# Altium PCB iMX53_BB_PCB_V1I2.PcbDoc (part 6 of 9) (continued)
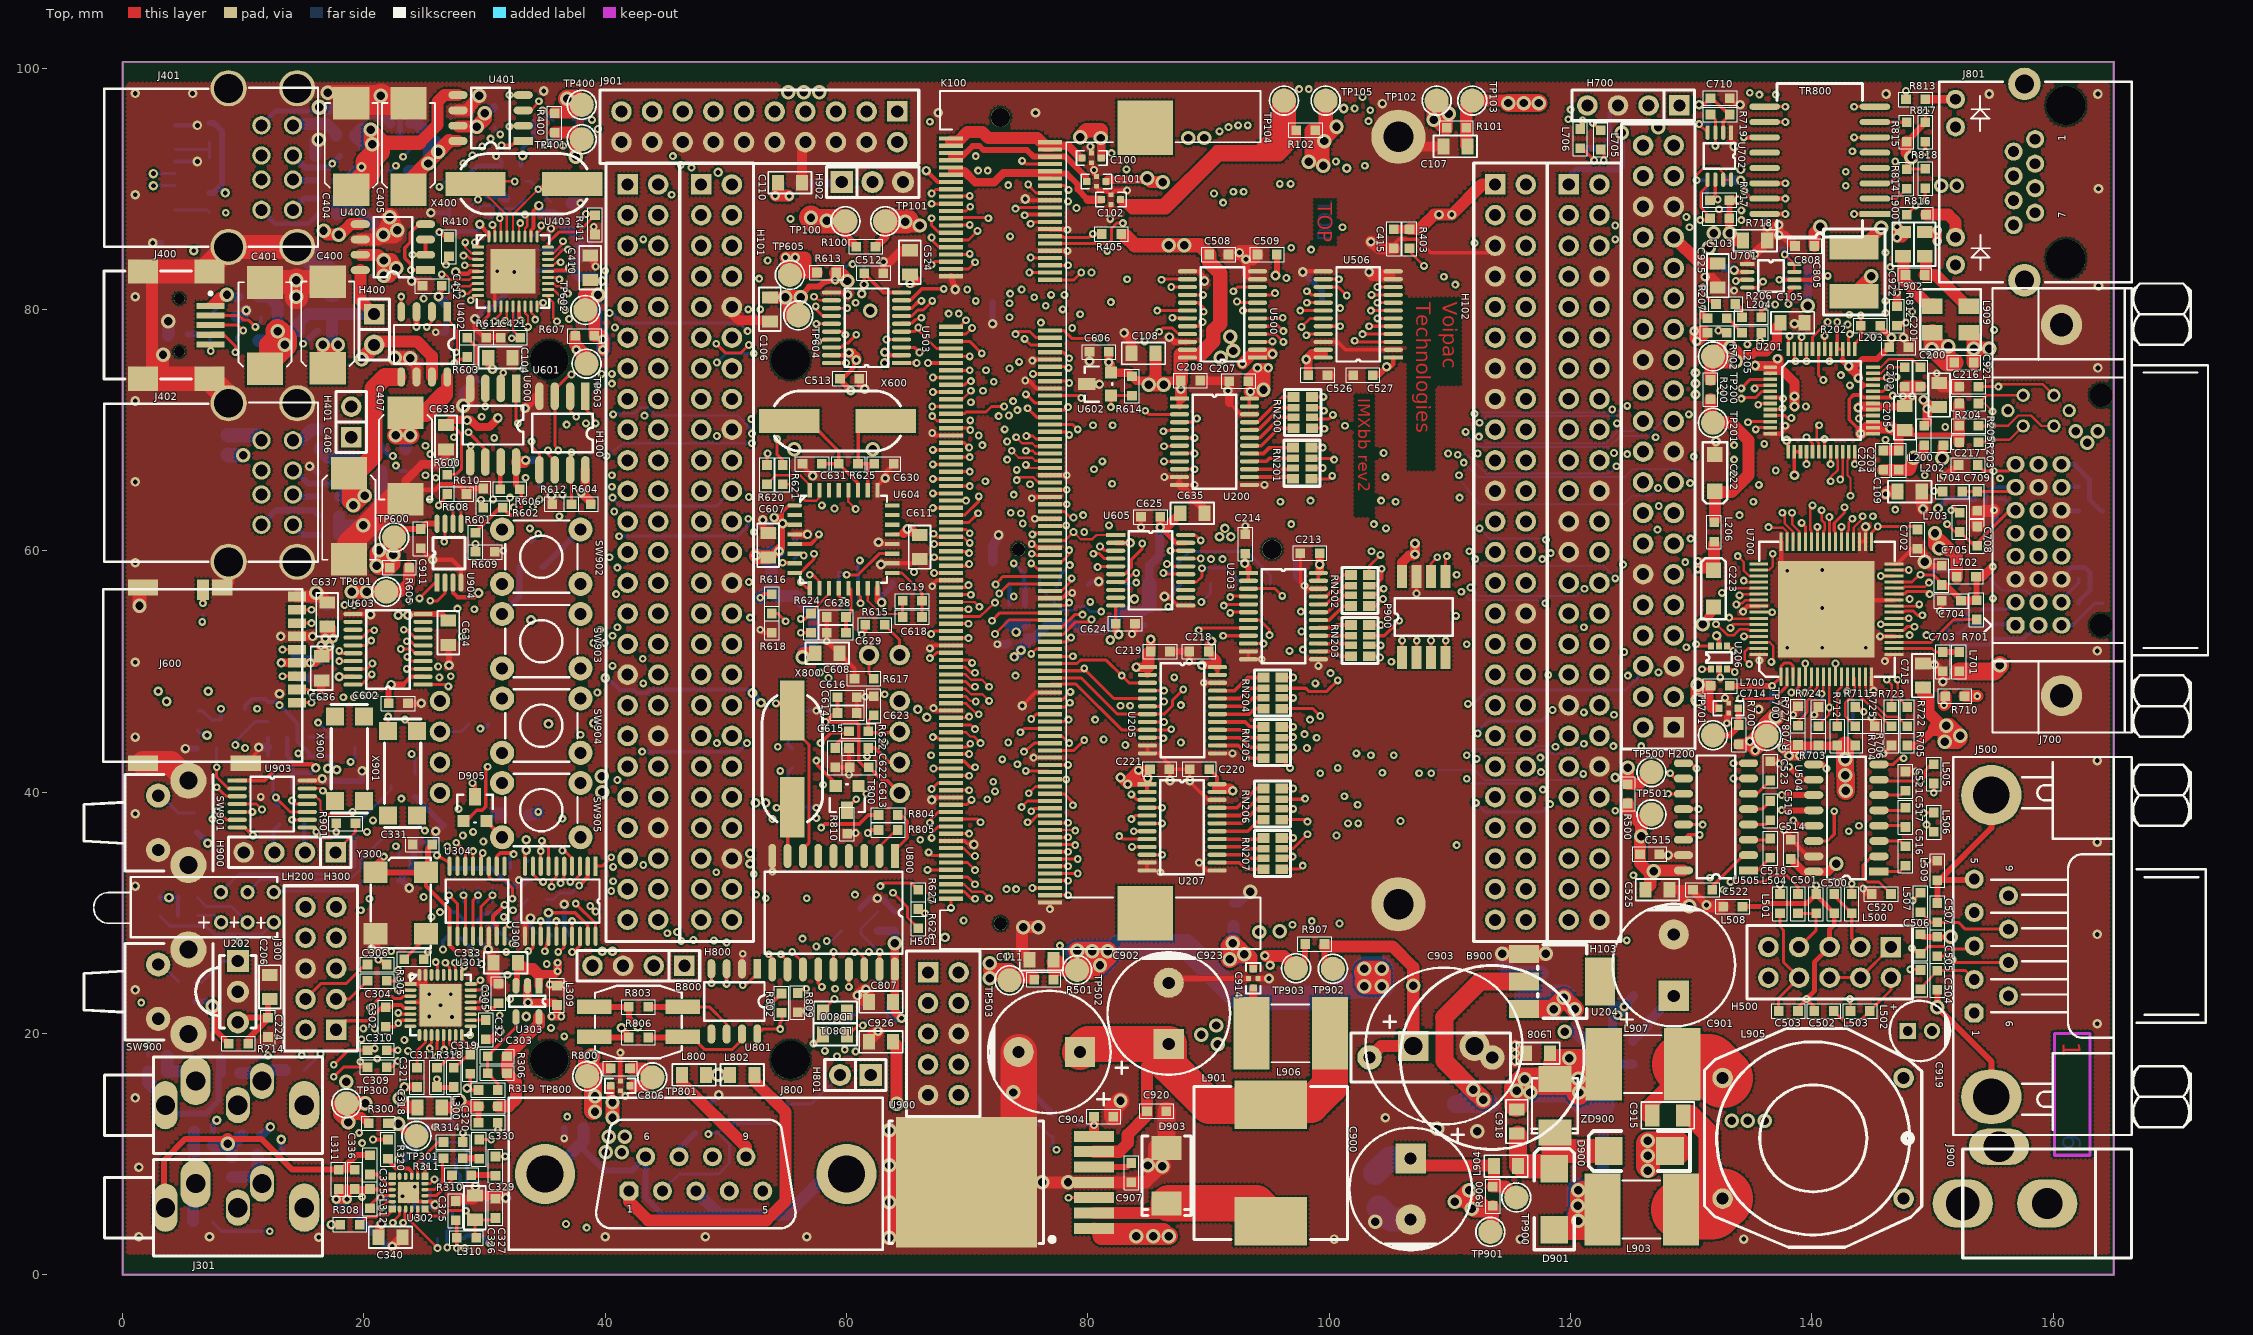
[diagram p0: Top view]
## Nets (pads, with @x,y where several pads share a name; then routed paths per layer and width w, separated by ;. In a path a pad name is that pad's centre, name@x,y a point inside that pad or via, vN(x,y) a via of type N, cw(c..) or ccw(c..) an arc to the next point about the centre after c; other vN are vias at no path point) (continued)
  SignalV w0.15: v1@29.75,64.45 v1(29.7,64.2) 29.8,64.3 29.8,71.05 v1(29.75,71.1)
NetR603_2: R603.2 R611.1 U601.3 | length 19.7
  Top w0.25: v1(36.1,68.3) 35.815,68.74 U601.3@35.815,72.8 35.815,73.365 37,74.55 v1(37.2,74.6)
  Top w0.3: R611.1@28.55,77.65 29.35,76.85 29.35,75.1 29.35,75.05 v1(29.2,75.1) ; R611.1@28.55,77.65 R611.1@28.75,77.65
  SignalH w0.15: v1(29.2,75.1) 29.775,75.675 31.575,75.675 33.5,73.75 36.35,73.75 v1(37.2,74.6)
NetR604_2: R604.2 R612.1 U601.7 | length 4.7
  Top w0.15: U601.7@37.085,66.7 37.085,68.15 37.085,68.285 v1(37.2,68.15) ; R612.1@37.2,63.85 R612.1@37.2,63.9
  Top w0.25: U601.7@37.085,66.7 37.2,66.585 R612.1@37.2,63.9
NetR606_2: R606.2 U600.7 | length 2.1
  Top w0.35: U600.7@31.185,67.2 31.3,67.085 R606.2@31.3,65.1
NetR620_2: R620.2 U604.32 | length 4.6
  Top w0.2: R620.2@53.4,65.5 54.15,66.25 56.15,66.25 56.95,65.45 U604.32@56.95,65
NetR621_2: R621.2 U604.31 | length 4.3
  Top w0.2: R621.2@54.7,65.5 55.2,65.5 56.564,64.136 57.486,64.136 57.75,64.4 U604.31@57.75,65
NetR626_2: R626.2 R627.2 U600.1 | length 80.4
  Top w0.25: U600.1@32.428,73.273 U600.1@32.6,73.1 ; U600.1@32.6,73.445 U600.1@32.6,73.1 ; v1(32.75,70.55) 32.6,70.7 U600.1@32.6,73.1 ; R627.2@65.8,30.3 66.15,30.3 v1(66.5,29.95)
  SignalH w0.15: v1(32.75,70.55) 33.1,70.2 36.55,70.2 v1(36.8,70.45)
  SignalV w0.15: v1(36.45,37.8) 36.25,38.25 36.25,39.501 36,39.751 36,44.3 36.55,44.85 36.55,46.3 36.2,46.65 36.2,61.95 37.15,62.9 37.15,67 37.759,67.609 37.759,68.841 37.293,69.307 36.8,69.8 v1(36.8,70.45) ; v1(66.1,36.05) 66.1,30.35 v1(66.5,29.95)
  Power w0.15: v1(36.45,37.8) 36.75,37.5 40.75,37.5 41.4,38.15 51.4,38.15 53.15,36.4 58.55,36.4 59.4,37.25 64.9,37.25 v1(66.1,36.05)
NetR701_2: R701.2 U700.19 | length 7.6
  Top w0.25: U700.19@146.8,52.4 149.85,52.4 151.75,54.3 R701.2@153.65,54.3
NetR703_2: R703.2 R710.2 R724.1 U700.9 | length 15.3
  Top w0.15: U700.9@141.4,49.5 U700.9@141.45,49.55
  Top w0.2: R703.2@140.55,45.4 140.55,45.55 141.45,46.45 v1(141.45,47) U700.9@141.45,49.55
  Top w1: v1(150.95,47.2) 151.05,47.3 R710.2@151.05,47.95
  SignalH w0.15: v1(141.45,47) 142,47.55 150.6,47.55 v1(150.95,47.2)
NetR704_2: R704.2 R711.2 R725.1 U700.13 | length 5.2
  Top w0.2: U700.13@143.45,49.55 143.55,49.45 143.55,48.1 143.2,47.75 143.1,47.75 142.75,47.4 142.75,46.3 R711.2@143.6,45.45 R711.2@143.6,45.15
NetR705_2: R705.2 R722.2 U700.15 | length 6.1
  Top w0.2: U700.15@144.45,49.55 144.45,48 146.2,46.25 147.1,46.25 R705.2@147.9,45.45
NetR706_2: R706.2 R723.2 U700.14 | length 5.3
  Top w0.2: U700.14@143.95,49.55 143.95,48 146.5,45.45 R706.2@146.6,45.45
NetR707_2: R707.2 R726.1 U700.6 | length 4.7
  Top w0.2: v1(139.437,48.237) 139.95,48.75 U700.6@139.95,49.55
  Bottom w0.2: R707.2@138.45,45.5 139.15,46.2 139.15,47.95 v1(139.437,48.237)
NetR708_2: R708.2 R727.1 U700.7 | length 4.7
  Top w0.2: R708.2@138.85,45.45 R708.2@138.875,45.475 ; R708.2@138.85,45.5 138.85,45.85 139.6,46.6 139.6,47.55 140.05,48 140.05,48.25 140.45,48.65 U700.7@140.45,49.55
NetR709_2: R709.2 R728.1 U700.8 | length 4.6
  Top w0.2: v1(140.8,48.15) 140.95,48.3 U700.8@140.95,49.55
  Bottom w0.2: R709.2@140,45.5 140.2,45.5 140.85,46.15 140.85,48.1 v1(140.8,48.15)
NetR712_2: R712.2 U700.11 | length 4.2
  Top w0.2: R712.2@142.1,45.45 142.1,48.358 142.45,48.708 U700.11@142.45,49.55
NetR802_2: R802.2 R810.1 T800.3 U801.8 | length 31.4
  Top w0.15: U801.8@52.6,19.9 U801.8@52.625,19.925
  Top w0.25: U801.8@52.6,19.9 52.625,19.925 53.05,20.35 v1(54.5,20.35) 54.5,20.9 54.65,21.05 54.65,21.65 R802.2@54.6,21.7
  Top w0.3: T800.3@60.05,38.5 60.05,38.65 v1(60.8,39.4)
  SignalH w0.15: v1(53.85,37.75) 54.05,37.75 55.75,39.45 v1@60.8,39.45
  SignalV w0.15: v1(53.85,37.75) 54.45,37.15 54.45,29.85 52.9,28.3 52.9,25.8 54.5,24.2 v1(54.5,20.35)
NetR804_2: R804.2 U800.1 | length 4.4
  Top w0.25: U800.1@64,34.7 64,35.15 65.05,36.2 65.05,37.6 64.55,38.1 R804.2@64.2,38.1
NetR805_2: R805.2 U800.2 | length 2.1
  Top w0.25: U800.2@62.73,35.48 64.1,36.85 R805.2@64.25,36.85
NetR809_1: R809.1 T800.2 | length 25.8
  Top w0.15: R809.1@55.95,23.35 v1(56.65,23.7)
  Top w0.3: v1(57.5,42.6) 57.6,42.2 59.1,40.7 T800.2@59.1,40.5
  SignalH w0.15: v1(54.5,41.75) 55.05,41.75 55.9,42.6 v1(57.5,42.6)
  SignalV w0.15: v1(54.5,41.75) 55.55,40.7 55.55,27.5 56.2,26.85 56.2,25.35 56.65,24.9 v1(56.65,23.7)
NetR814_1: R814.1 TR800.2 | length 3
  Top w0.2: TR800.2@145.222,89.175 147.025,89.175 R814.1@147.85,90
NetR815_1: R815.1 TR800.7 | length 2.6
  Top w0.3: TR800.7@145.247,95.5 R815.1@147.85,95.5
NetRN200_1: RN200.1 U200.21 | length 4.4
  Top w0.3: U200.21@93.384,70.652 94.052,70.652 96.145,72.745 RN200.1@96.9,72.745
NetRN200_2: RN200.2 U200.20 | length 4.3
  Top w0.3: U200.20@93.45,70.05 94.15,70.05 95.95,71.85 RN200.2@97.038,71.85
NetRN200_3: RN200.3 U200.19 | length 4.4
  Top w0.3: U200.19@93.384,69.352 94.252,69.352 95.95,71.05 RN200.3@97.038,71.05
NetRN200_4: RN200.4 U200.18 | length 4.3
  Top w0.3: U200.18@93.384,68.702 94.352,68.702 95.805,70.155 RN200.4@97.038,70.155
NetRN201_1: RN201.1 U200.17 | length 3.8
  Top w0.3: U200.17@93.384,68.052 94.552,68.052 95.045,68.545 RN201.1@96.988,68.545
NetRN201_2: RN201.2 U200.16 | length 3.7
  Top w0.3: U200.16@93.384,67.402 94.802,67.402 95.05,67.65 RN201.2@96.988,67.65
NetRN201_3: RN201.3 U200.15 | length 3.6
  Top w0.3: U200.15@93.384,66.752 96.89,66.752 RN201.3@96.988,66.85
NetRN201_4: RN201.4 U200.14 | length 3.7
  Top w0.3: U200.14@93.384,66.102 96.841,66.102 RN201.4@96.988,65.955
NetRN202_1: RN202.1 U203.21 | length 3.6
  Top w0.15: U203.21@99.1,56.2 U203.21@99.15,56.2
  Top w0.3: U203.21@99.15,56.2 99.75,56.2 100.35,56.8 100.35,57.15 101.195,57.995 RN202.1@101.788,57.995
NetRN202_2: RN202.2 U203.20 | length 3.3
  Top w0.3: U203.20@99.1,55.55 99.75,55.55 101.3,57.1 RN202.2@101.788,57.1
NetRN202_3: RN202.3 U203.19 | length 3.3
  Top w0.3: U203.19@99.1,54.9 99.85,54.9 101.25,56.3 RN202.3@101.788,56.3
NetRN202_4: RN202.4 U203.18 | length 3.2
  Top w0.3: U203.18@99.1,54.25 100,54.25 101.155,55.405 RN202.4@101.788,55.405
NetRN203_1: RN203.1 U203.17 | length 2.8
  Top w0.3: U203.17@99.1,53.6 99.138,53.638 100.438,53.638 100.645,53.845 RN203.1@101.788,53.845
NetRN203_2: RN203.2 U203.16 | length 2.7
  Top w0.3: U203.16@99.1,52.95 RN203.2@101.788,52.95
NetRN203_3: RN203.3 U203.15 | length 2.8
  Top w0.3: U203.15@99.1,52.3 101.638,52.3 RN203.3@101.788,52.15
NetRN203_4: RN203.4 U203.14 | length 2.9
  Top w0.3: U203.14@99.1,51.65 100.5,51.65 100.895,51.255 RN203.4@101.788,51.255
NetRN204_1: RN204.1 U205.21 | length 4.3
  Top w0.3: U205.21@90.734,48.402 92.152,48.402 93.245,49.495 RN204.1@94.538,49.495
NetRN204_2: RN204.2 U205.20 | length 4.2
  Top w0.3: U205.20@90.734,47.752 92.652,47.752 93.5,48.6 RN204.2@94.538,48.6
NetRN204_3: RN204.3 U205.19 | length 4.1
  Top w0.3: U205.19@90.734,47.102 92.952,47.102 93.65,47.8 RN204.3@94.538,47.8
NetRN204_4: RN204.4 U205.18 | length 4
  Top w0.3: U205.18@90.734,46.452 93.352,46.452 93.805,46.905 RN204.4@94.538,46.905
NetRN205_1: RN205.1 U205.17 | length 4
  Top w0.3: U205.17@90.734,45.802 93.048,45.802 93.455,45.395 RN205.1@94.538,45.395
NetRN205_2: RN205.2 U205.16 | length 4.1
  Top w0.3: U205.16@90.734,45.152 92.798,45.152 93.45,44.5 RN205.2@94.538,44.5
NetRN205_3: RN205.3 U205.15 | length 4.1
  Top w0.3: U205.15@90.734,44.502 92.598,44.502 93.4,43.7 RN205.3@94.538,43.7
NetRN205_4: RN205.4 U205.14 | length 4.2
  Top w0.3: U205.14@90.734,43.852 92.448,43.852 93.495,42.805 RN205.4@94.538,42.805
NetRN206_1: RN206.1 U207.21 | length 4.5
  Top w0.3: U207.21@90.7,38.7 92.35,38.7 93.945,40.295 RN206.1@94.538,40.295
NetRN206_2: RN206.2 U207.20 | length 4.4
  Top w0.3: U207.20@90.7,38.05 92.65,38.05 94,39.4 RN206.2@94.538,39.4
NetRN206_3: RN206.3 U207.19 | length 4.3
  Top w0.3: U207.19@90.7,37.4 92.75,37.4 93.95,38.6 RN206.3@94.538,38.6
NetRN206_4: RN206.4 U207.18 | length 4.2
  Top w0.3: U207.18@90.7,36.75 93.25,36.75 94.205,37.705 RN206.4@94.538,37.705
NetRN207_1: RN207.1 U207.17 | length 3.9
  Top w0.3: U207.17@90.7,36.1 94.443,36.1 RN207.1@94.538,36.195
NetRN207_2: RN207.2 U207.16 | length 4.1
  Top w0.15: RN207.2@94.388,35.45 RN207.2@94.538,35.3
  Top w0.3: U207.16@90.7,35.45 93.25,35.45 93.4,35.3 RN207.2@94.538,35.3
NetRN207_3: RN207.3 U207.15 | length 4
  Top w0.3: U207.15@90.7,34.8 92.95,34.8 93.25,34.5 RN207.3@94.538,34.5
NetRN207_4: RN207.4 U207.14 | length 4.1
  Top w0.3: U207.14@90.7,34.15 92.55,34.15 93.095,33.605 RN207.4@94.538,33.605
NetU904_1: U904.1 X901.2 | length 14.1
  Top w0.25: X901.2@22.01,45.045 v1(22.01,46.247) ; v1(24.6,56.05) 25.912,57.362 U904.1@26.059,57.362
  SignalV w0.25: v1(22.01,46.247) 22.01,47.61 24.25,49.85 24.25,52.061 24.35,52.161 24.35,55.8 v1(24.6,56.05)
NetU904_2: U904.2 X901.1 | length 14.5
  Top w0.25: v1(23.4,46) 24.355,45.045 X901.1@24.41,45.045 ; v1(25.5,55.85) 26.1,55.85 26.72,56.47 U904.2@26.72,57.362
  SignalV w0.25: v1(23.4,46) 23.4,48.4 24.65,49.65 24.65,51.895 24.75,51.995 24.75,55.1 v1(25.5,55.85)
OCS1: U401.2 U403.13 | length 19.1
  Top w0.2: v1(31.7,79.05) 31.85,79.2 U403.13@31.85,80.25 ; v1@32.05,95.22 U401.2@33.2,95.22
  SignalV w0.15: v1(31.7,79.05) 31.9,79.25 31.9,86.626 32.1,86.826 32.1,88.526 31.65,88.976 31.65,91.324 32.1,91.774 32.1,91.876 32.1,95.1 v1(32.05,95.15)
OCS2: U401.3 U403.17 | length 21.5
  Top w0.15: U401.3@33.19,96.5 U401.3@33.2,96.49
  Top w0.2: U401.3@33.15,96.5 33.19,96.5 33.2,96.5 U401.3@33.75,96.5 ; U401.3@33.745,96.55 33.93,96.566 v1(34.5,97.25) ; U403.17@33.85,80.25 33.85,79.75 34.2,79.4 v1@34.2,79.3
  SignalV w0.15: v1(34.2,79.15) 34.15,79.35 34.15,79.7 33.9,79.95 33.9,88.1 33.55,88.45 33.55,90.15 33.9,90.5 33.9,96.65 v1(34.5,97.25)
OCS3: U402.2 U403.19 | length 15.9
  Top w0.2: v1(25.2,78.55) 25.63,78.98 U402.2@25.63,79.8 ; U403.19@35.25,81.15 35.25,81 35.7,80.55 35.7,79.3 v1(36,79)
  Power w0.15: v1(25.2,78.55) 25.4,78.75 27.45,78.75 28.55,79.85 29.4,79.85 29.75,80.2 33.95,80.2 34.45,79.7 35.05,79.7 35.75,79 v1(36,79)
OCS4: U402.3 U403.21 | length 19.6
  Top w0.2: U403.21@35.25,82.15 35.7,82.15 35.938,81.912 36.288,81.912 v1(36.9,81.3)
  Top w0.5: v1(24.36,78.548) U402.3@24.36,79.8
  SignalV w0.2: v1(36.9,81.3) 37.236,80.964 37.236,79.436 v1(37,79.2)
  Power w0.15: v1(24.36,78.548) 24.962,79.15 27.3,79.15 28.35,80.2 29.2,80.2 29.5,80.5 34.074,80.5 34.574,80 35.815,80 36.196,79.619 36.615,79.2 v1(37,79.2)
OSC32KHZ: R307.1 U302.9 U904.7 | length 69.3
  Top w0.2: U302.9@23.95,5.45 23.95,5.2 23.85,5.1 23.85,4.448 v1(26.1,2.198)
  Top w0.25: v1(26.65,60.75) 26.72,60.82 U904.7@26.72,62.238
  SignalV w0.15: v1@26.1,2.2 v1(26.1,2.198) 23.85,4.448 23.85,5.25 24.75,6.15 24.75,8.05 24.45,8.35 24.45,15.1 24.6,15.25 24.6,26 23.65,26.95 23.65,30.8 24.4,31.55 24.4,39.4 24.95,39.95 24.95,46.15 24.1,47 24.1,47.726 25.3,48.926 25.3,51.35 26.559,52.609 26.559,55.735 27,56.176 27,60.4 v1(26.65,60.75)
  Bottom w0.15: v1(26.1,2.198) R307.1@26.1,3.05
OWIRE: H100.12 K100.43 R614.2 U602.1 | length 52.1
  Top w0.25: K100.43@68.65,77.95 69.9,77.95 v1(70.4,78.45) ; v1(81.9,71.898) U602.1@81.9,72.85 R614.2@83.65,72.85
  SignalH w0.15: H100.12@44.39,77.65 45.49,78.75 51.2,78.75 51.55,79.1 56.924,79.1 57.174,79.35 57.85,79.35 58.45,78.75 62.45,78.75 63.55,79.85 66.45,79.85 67.139,79.161 67.85,78.45 v1(70.4,78.45) ; v1(70.3,72.3) 71.4,72.3 72.05,72.95 74.05,72.95 74.6,72.4 75.4,72.4 76.45,71.35 79.05,71.35 79.35,71.65 81.652,71.65 v1(81.9,71.898)
  SignalV w0.15: v1(70.3,72.3) 69.65,72.95 69.65,77.55 v1(70.4,78.45)
P1: C919.1 J900.2 L905.4 | length 23.1
  Power w1.5: L905.4@147.6,6.3 143.8,10.1 143.8,17.55 146.45,20.2 C919.1@147.95,20.2
  Power w4: L905.4@147.6,6.3 148,5.9 J900.2@152.5,5.9
P2: C919.2 J900.1 J900.3 L905.1 | length 24
  Power w1.5: L905.1@147.6,16.3 148.4,16.3 149.95,17.85 C919.2@149.95,20.2
  Power w3: L905.1@147.6,16.3 147.6,14.25 151.25,10.6 J900.1@155.5,10.6 156.85,10.6 156.85,9.65 159.5,7 J900.3@159.5,5.9
P3: C915.1 L903.2 L905.3 | length 13.4
  Top w1.7: L903.2@129.15,5.4 131.45,7.7 131.45,11.7 129.95,13.2 C915.1@129.7,13.2
  Top w5: L903.2@129.15,5.4 131.7,5.4 L905.3@132.6,6.3
P4: C915.2 L905.2 L907.2 | length 9.3
  Top w1.2: C915.2@126.4,13.2 126.4,13.9 129.25,16.75 L907.2@129.25,17.45
  Top w5: L907.2@129.25,17.45 131.45,17.45 L905.2@132.6,16.3
P5: C916.1 D901.1 L903.1 | length 21.8
  Top w2: D901.1@118.65,3.86 120.65,3.86 121.11,3.86 121.175,3.925 L903.1@122.5,5.25 ; v3(120.65,4.45) 120.85,5.25 v3@120.95,5.25 ; v3@120.95,4.55 v3@120.95,5.25 ; L903.1@122.6,5.25 L903.1@122.5,5.25 ; v3@120.95,5.25 120.95,5.4 120.95,5.7 120.95,6.75 121.3,6.4 122.3,5.4 L903.1@122.65,5.4 L903.1@122.5,5.25 ; v3@120.95,5.25 L903.1@122.5,5.25
  Bottom w1: v3(120.65,4.45) 121.158,5.403 122.7,8.3 C916.1@122.7,11.5
  Bottom w2: v3(120.65,4.45) 120.65,5.7 v3(120.65,7)
  other v3: 120.6,5.7
P6: C916.2 C918.2 C921.2 L907.1 L908.2 L909.2 ZD900.2 | length 155.8
  Top w1: ZD900.2@117.46,15.4 ZD900.2@118.5,15.4 ; ZD900.2@118.81,15.4 ZD900.2@119.85,15.4 ; ZD900.2@119.85,15.35 ZD900.2@119.85,15.4 ; ZD900.2@119.85,16.39 119.85,16.25 119.85,16.21 ZD900.2@119.85,15.4 ; L909.2@152.991,78.051 L909.2@153.4,77.642
  Top w1.2: C921.2@153.4,75.6 v3(153.4,76.75) ; L909.2@153.4,77.642 v3(153.4,76.75) ; v3(154.7,76.75) v3(153.4,76.75)
  Top w2: C918.2@115.5,14.05 115.5,15.1 115.5,15.25 115.5,15.5 115.875,15.875 116.15,16.15 116.2,16.15 116.65,16.15 ZD900.2@118.64,16.15 ; v3@120.65,15.05 120.65,15.1 120.65,16.21 v3(120.65,16.25) 120.65,16.9
  Top w2.5: 118.95,17.45 119.9,17.45 120.65,17.45 L907.1@122.75,17.45
  SignalH w2: v3@115.625,15.275 v3@115.7,15.35 ; v3@115.65,15.35 v3@115.7,15.35 ; v3@116.3,15.95 116.05,15.7 v3@115.7,15.35 ; v3@117.05,15.35 116.65,15.35 116.2,15.35 v3@115.7,15.35 ; 117.2,15.35 119.95,15.35 ; 119.9,15.4 119.95,15.35 ; v3(119.9,17.95) 120.65,17.2 v3(120.65,16.25) 120.65,15.35 119.95,15.35 ; v3(136.1,12.75) v3(134.7,12.75) v3(133.35,12.75) 132,14.2 121.1,14.2 120.45,14.85 119.95,15.35
  Power w1: v3@117.05,15.35 117.2,15.35 ; v3@134.686,12.888 v3@134.8,12.9 ; 134.8,21.8 133.644,22.956 133.644,27.644 134.9,28.9 144.5,28.9 148.75,33.15 150.95,33.15 152.45,34.65 157.5,34.65 160.55,37.7 160.55,43 153.9,49.65 153.9,74.65 153.4,75.15
  Power w1.2: 153.4,75.15 v3(153.4,76.75) v3(154.7,76.75)
  Power w2: v3@115.625,15.275 v3@115.7,15.35 ; v3@115.65,15.35 v3@115.7,15.35 ; v3@116.3,15.95 116.05,15.7 v3@115.7,15.35 ; v3@117.05,15.35 116.65,15.35 116.2,15.35 v3@115.7,15.35 ; 117.2,15.35 120.65,15.35 v3(120.65,16.25) 120.65,17.2 v3(119.9,17.95) ; v3(133.35,12.75) v3(134.7,12.75) v3(136.1,12.75) ; v3@134.8,12.9 134.8,21.8
  Bottom w2: v3(115.55,15.25) 116.025,15.725 v3@116.3,16 ; v3@115.6,15.25 116.2,15.25 116.65,15.25 119.75,15.25 ; v3(116.2,16.2) 116.35,16.05 v3@116.95,15.45 ; 119.75,15.45 119.8,15.4 120.4,14.8 121.1,14.1 C916.2@122.7,14.1 ; v3@120.72,15.12 v3@120.72,16.25
  other v3: 116.65,15.1 120.7,15.1
P7: C918.1 D900.2 D901.2 L904.2 ZD900.1 | length 12.6
  Top w1.5: L904.2@115.65,9 C918.1@115.65,11.6
  Top w2: L904.2@116.11,8.99 D901.2@118.6,8.99 ; ZD900.1@118.6,11.85 118.6,11.79 118.6,10.3 ; D901.2@118.65,8.94 D901.2@118.6,8.99 ; D900.2@123.16,10.25 118.7,10.25 118.65,10.25 118.6,10.3 ; D901.2@118.6,8.99 118.6,10.3
P8: C921.1 D900.1 L909.3 | length 112.7
  Top w1.2: v3(149.95,76.7) 150.025,76.775 150.2,76.95 v3(151.3,76.95) 151.3,76.1 C921.1@151.8,75.6
  Top w1.5: L909.3@149.991,78.051 149.991,76.95 149.991,76.809 150.025,76.775 150.575,76.225 151.2,75.6 151.3,75.6 C921.1@151.8,75.6
  Top w2: v3@126.4,9 v3(126.4,9.85) v3@126.4,10.2 ; v3@126.4,10.2 126.4,10.25 126.4,10.85 128.24,10.85 128.9,10.85 128.9,10.25 128.9,10.15 128.24,10.15 126.45,10.15 v3@126.4,10.2
  Power w1: v3@126.4,10.85 v3(126.4,11.1) ; 131.9,21.35 131.9,28.276 133.824,30.2 143.9,30.2 149.95,36.25 156.5,36.25 158.55,38.3 158.55,42.15 156.1,44.6 154.65,44.6 152.55,46.7 152.55,74 151.299,75.251 151.299,75.501 ; v3(149.95,76.7) v3@150.2,76.95 ; v3@151.299,76.949 v3(151.3,76.95)
  Power w1.2: v3@150.15,76.65 150.575,76.225 151.299,75.501 ; v3@150.2,76.95 v3(151.3,76.95) 151.299,75.501
  Power w2: v3(126.4,8.6) v3(126.4,9.85) v3(126.4,11.1) 126.4,15.85 131.9,21.35
P9: C922.1 L900.2 L909.4 | length 5.4
  Top w1: L900.2@147.6,84.35 147.6,82.4 L909.4@149.85,80.15 ; L909.4@150.05,80.2 150.05,80.251 L909.4@150.05,80.441
P10: C922.2 L902.2 L909.1 | length 5.7
  Top w1: C922.2@149.35,82.85 150.25,82.85 152.849,80.251 L909.1@152.991,80.251 ; 149.45,83.3 L902.2@149.45,84.3
P11: C222.1 L206.2 R200.2 TP201.1 | length 14.3
  Top w0.3: L206.2@131.9,62.55 L206.2@131.95,62.6
  Top w1: R200.2@131.6,72.55 131.6,70.8 TP201.1@131.8,70.6 133.3,70.6 134.75,69.15 134.75,66.266 133.334,64.85 C222.1@131.95,64.85 ; L206.2@131.95,62.6 C222.1@131.95,64.85 ; C222.1@131.95,64.926 C222.1@131.95,64.85
P12: C902.1 C920.1 C923.1 L901.2 L906.2 U900.6 | length 41.9
  Top w1: U900.6@80.496,10.19 82.599,10.19 82.599,10.199 83.3,10.9 83.3,11.6 84.9,13.2 84.9,17.31 C923.1@86.7,19.11
  Top w3: C902.1@79.34,18.45 80,19.11 C923.1@86.7,19.11 86.7,17.35 90.05,14 95.15,14 L901.2@95.45,14 ; L901.2@95.45,14.076 98.476,14.076 100.05,15.65 L906.2@100.05,20
P13: D903.1 L901.1 U900.2 | length 15.9
  Top w1: U900.2@80.496,5.11 85.896,5.11 86.6,5.814 D903.1@86.7,5.914
  Top w3: D903.1@86.7,5.914 93.96,5.914 95.3,4.574 L901.1@95.45,4.424
P14: C914.1 L906.1 | length 3.8
  Top w0.5: L906.1@93.55,20 L906.1@93.7,20.15
  Top w0.7: L906.1@93.7,20.15 C914.1@93.7,23.75
P15: R900.2 TP901.1 U900.1 | length 66.5
  Top w1: U900.1@80.496,3.84 81.136,3.2 ; TP901.1@113.35,3.55 113.55,3.75 113.55,5.25 ; R900.2@113.55,5.7 113.55,5.25 ; v3(111.8,5.45) 112,5.25 113.35,5.25 ; v3(111.8,5.45) 111.2,6.05 v3(110.4,6.05) 111.35,7 v3(111.6,7) v3@111.8,6.8 ; v3(111.8,5.45) v3@111.8,6.8 ; v3@111.8,6.8 112.475,6.125 113.35,5.25 ; 113.35,5.25 113.55,5.25
  Top w1.5: 81.136,3.2 v3(84,3.2) v3(85.4,3.2) v3(86.7,3.2) ; U900.1@81.286,3.55 84,3.55 85.4,3.55 v3@86.256,3.55
  Power w2: v3(86.7,3.2) v3(85.4,3.2) ; 109.2,7.15 110.4,7.15 111.45,7.15 111.475,7.125 v3(111.6,7) 111.8,6.8 111.8,6.05 v3(111.8,5.45) ; v3(110.4,6.05) 110.525,5.925 111,5.45 111.6,5.45 v3(111.8,5.45) ; v3(85.4,3.2) v3(84,3.2) 84.7,3.9 87.85,7.05 89.25,7.05 ; v3(85.4,3.2) 86.05,3.85 89.25,7.05 ; 89.25,7.05 110.2,7.05 110.8,6.45 110.925,6.325 v3(111.8,5.45)
P16: C100.3 R100.1 TP100.1 | length 41.8
  Top w0.7: v3@58.35,87.3 58.25,87.3 v3(58.35,87.35) ; TP100.1@59.95,87.3 TP100.1@59.9,87.3 59.9,86.1 R100.1@60.8,85.2 ; v3(81.05,94.2) 81.1,94.1 C100.3@81.1,92.55
  Top w1.2: v3(79.35,94.25) 79.85,94.85 81.05,94.85 v3(81.05,94.2)
  Top w2: v3(57.05,87.6) 57.35,87.3 58.25,87.3 58.35,87.3 TP100.1@59.9,87.3
  Power w0.7: v3@57.55,87.8 v3(58.35,87.35) ; 65.5,92.25 65.649,92.449
  Power w1.2: v3(57.05,87.6) 57.3,87.35 v3(58.35,87.35) ; v3@57.55,87.8 57.55,91.9 57.95,92.25 65.5,92.25 ; 65.649,92.449 65.95,92.75 68.1,92.75 69.4,94.05 79.15,94.05 v3(79.35,94.25) 79.8,94.8 81.05,94.8 81.1,94.8 v3(81.05,94.2)
P17: C100.1 K100.1 K100.2 K100.3 K100.4 | length 13.4
  Top w0.3: K100.3@68.65,93.55 68.65,93.9 68.65,94.05 68.6,94.1 68.652,94.148 68.655,94.15 K100.1@68.65,94.15 ; K100.4@76.85,93.25 76.85,93.55 K100.2@76.85,93.85
  Top w0.7: 76.85,93.55 78.4,93.55 79.4,92.55 C100.1@79.5,92.55
  Top w1: 68.65,93.9 69.2,93.9 70,94.7 71.25,94.7 71.75,94.2 75.8,94.2 76.45,93.55 76.85,93.55 76.95,93.55
P18: C101.3 R101.1 TP102.1 | length 46.7
  Top w0.5: TP102.1@108.9,97.3 108.65,97.05 108.705,97.013 v3(109.9,96.2) 109.65,95.825 109.32,95.33 109.285,95.277 109.1,95 109.65,95 R101.1@109.75,95
  Top w0.7: C101.3@81.5,90.6 81.65,90.75 84.8,90.75 v3(84.9,90.85)
  Top w1: v3(84.9,90.85) 85.2,90.55 v3(86.2,90.55)
  Top w1.2: TP102.1@108.65,97.05 v3(108.65,95.7) 108.95,95.7 109.175,95.475 109.32,95.33 109.65,95 109.65,95.7 109.65,95.825 109.65,95.95 v3(109.9,96.2) 108.9,97.2 TP102.1@108.9,97.3
  Power w1.5: v3(84.9,90.85) 85.9,90.85 v3(86.2,90.55) ; v3@86.35,90.25 87.25,89.35 88.45,89.35 90.2,91.1 93.45,91.1 95.4,89.15 101.15,89.15 102.65,90.65 107.2,90.65 109.75,93.2 109.75,94.8 ; v3@108.85,95.7 109.125,95.425 109.75,94.8 ; v3@109.75,95.85 109.75,95.7 109.75,94.8
P19: C101.1 K100.5 K100.6 K100.7 | length 13
  Top w0.35: C101.1@79.9,90.6 79.9,90.9
  Top w0.5: 68.65,92.65 69.55,92.65 70.438,93.538 71.012,93.538 71.35,93.2 74.95,93.2 75.5,92.65 K100.6@76.85,92.65 78.15,92.65 79.9,90.9
P20: C102.3 R102.1 TP104.1 | length 40.2
  Top w0.3: R102.1@97.05,94.85 R102.1@97.25,94.85
  Top w0.7: C102.3@82.7,89.1 82.7,89 82.9,88.8 83.05,88.8 ; R102.1@97.25,94.85 96.65,94.25 95.65,93.25 94.9,93.25 90.65,93.25 86.2,88.8 83.05,88.8 ; R102.1@97.3,94.85 97.3,94 95.9,92.6 90.9,92.6 86.5,88.2 83.65,88.2 83.05,88.8
  Top w2: 94.9,93.25 95.85,94.2 95.85,94.7 ; TP104.1@96.25,97.3 96.25,94.65 96.65,94.25
P21: C102.1 K100.9 K100.10 K100.11 K100.12 | length 15.2
  Top w0.3: 68.65,91.45 K100.9@68.65,91.75 ; K100.12@76.85,90.85 76.85,91.25 K100.10@76.85,91.45
  Top w0.5: 68.65,91.45 69.75,91.45 ; 76.85,91.25 78.25,91.25 79.15,90.35 79.15,89.95 80,89.1
  Top w0.7: 69.75,91.45 70.65,90.55 72.25,90.55 73,91.3 76.8,91.3 76.85,91.25 ; 80,89.1 C102.1@81.1,89.1
P22: C338.1 R300.2 TP301.1 | length 4.2
  Top w0.7: R300.2@22,12.55 22.8,12.55 v3(22.85,12.5) 23.85,11.5 TP301.1@24.35,11.5
  Bottom w0.7: v3(22.85,12.5) 23.55,11.95 C338.1@23.55,11.4
P23: C714.1 R700.2 TP701.1 | length 3.8
  Top w0.5: TP701.1@131.8,44.7 133.2,44.7 R700.2@133.95,45.45 ; R700.2@133.9,45.6 C714.1@133.9,46.95
P24: C806.1 R800.2 TP801.1 | length 4
  Top w1: R800.2@42.15,17.1 43.15,17.1 TP801.1@43.9,16.35 ; C806.1@42.25,15.65 43.25,15.65 TP801.1@43.9,16.3
PCLK: H200.2 RN206.6 U201.24 U700.57 | length 83.6
  Top w0.15: U700.57@135.6,54.9 v1(136.7,54.9)
  Top w0.25: RN206.6@96.062,38.6 v1(97.014,38.6) ; v1(143.55,67.173) U201.24@143.55,68.2
  SignalH w0.15: v1@121.05,46.6 121.075,46.575 121.65,46 122.85,46 123.5,45.35 H200.2@126.01,45.35 ; v1(121.1,53.65) 122.9,53.65 123.65,54.4 129.45,54.4 130.1,55.05 133.35,55.05 134.042,54.358 136.158,54.358 v1(136.7,54.9) ; v1(137,66.65) 138.048,65.602 140.252,65.602 141.05,66.4 141.877,66.4 142.65,67.173 v1(143.55,67.173)
  SignalV w0.15: v1(97.014,38.6) 96.45,39.164 96.45,40.8 97.6,41.95 97.6,44.45 v1(97.95,44.8) ; v1(121.1,46.6) v1(121.1,53.65) ; v1(136.7,54.9) 136.7,57.9 136.2,58.4 136.2,60.35 136.95,61.1 136.95,62.3 136.7,62.55 136.7,63.55 137.25,64.1 137.25,66.35 v1(137,66.65)
  Power w0.15: v1(97.95,44.8) 98.5,45.35 99.95,45.35 100.65,46.05 120.55,46.05 v1(121.1,46.6)
PHY_ACT: H103.6 K100.24 R816.1 | length 84.3
  Top w0.25: v1(75.25,87.1) 75.4,87.25 K100.24@76.85,87.25 ; R816.1@147.85,87.7 147.85,87.75 R816.1@147.9,87.8 ; R816.1@147.85,87.85 v1(148.6,88.6) v1@148.6,88.75
  SignalH w0.15: H103.6@122.39,85.27 123.11,84.55 129.55,84.55 130.15,83.95 134.35,83.95 134.7,83.6 141.2,83.6 141.75,84.15 145.85,84.15 v1(146.5,83.5)
  SignalV w0.15: v1(146.5,83.5) 146.5,84.25 147.95,85.7 147.95,87.95 v1(148.6,88.6) ; v1@148.65,88.55 v1@148.7,88.6
  Power w0.15: v1(75.25,87.1) 75.4,87.25 78.6,87.25 79.014,86.836 82.164,86.836 82.75,86.25 108.922,86.25 111.072,84.1 116.9,84.1 119.2,86.4 120.85,86.4 121.98,85.27 H103.6@122.39,85.27
PHY_LINK: H102.6 K100.20 R813.1 | length 96
  Top w0.25: v1(74,88.35) 74.4,88.45 K100.20@76.85,88.45 ; R813.1@147.8,97.4 v1(147.8,98.1)
  SignalH w0.15: v1@74.011,88.361 v1(74,88.35) 77.1,88.35 77.7,87.75 79.3,87.75 79.65,88.1 83.9,88.1 84.55,87.45 89.127,87.45 89.952,86.625 90.327,86.25 98.95,86.25 99.95,85.25 102.1,85.25 103.1,86.25 111.3,86.25 v1(112.05,85.5) ; v1(123.7,85.8) 124.65,84.85 129.674,84.85 130.274,84.25 134.474,84.25 134.812,83.912 141.062,83.912 141.85,84.7 v1(146.1,84.7)
  SignalV w0.15: v1(146.1,84.7) 146.1,85.2 144.856,86.444 144.856,91.206 147.8,94.15 v1(147.8,98.1)
  Power w0.15: v1(112.05,85.5) 112.15,85.5 113.05,86.4 115.16,86.4 H102.6@116.29,85.27 116.62,85.27 117.31,85.96 118.05,86.7 122.8,86.7 v1(123.7,85.8)
PHY_RXN: K100.23 TR800.9 | length 78.6
  Top w0.15: K100.23@68.65,87.55 K100.23@68.7,87.6
  Top w0.25: K100.23@68.7,87.6 71.7,87.6 v1(71.75,87.55) ; TR800.9@136.078,96.795 v1(137.8,96.795)
  SignalH w0.15: v1(73.4,90.3) 74.05,90.95 77.324,90.95 77.359,90.984 77.384,90.984 77.5,91.1 79.349,91.1 79.749,90.7 81.499,90.7 82.949,92.15 85.25,92.15 86,91.4 86.85,91.4 87.3,90.95 97.05,90.95 97.85,90.15 105.249,90.15 105.849,90.75 107.376,90.75 109.3,92.674 109.3,93.124 111.365,95.189 114.176,98 133.95,98 134.818,97.132 137.463,97.132 v1(137.8,96.795)
  SignalV w0.15: v1(71.75,87.55) 71.75,88.65 v1(73.4,90.3)
PHY_RXP: K100.25 TR800.11 | length 80.9
  Top w0.15: K100.25@68.65,86.95 K100.25@68.75,86.95
  Top w0.25: K100.25@68.75,87 v1(70.2,87)
  Top w0.4: v1(134.356,94.255) TR800.11@136.078,94.255
  SignalH w0.15: v1(71.7,91.5) 71.95,91.25 77.2,91.25 77.4,91.45 79.55,91.45 80,91 81.374,91 82.824,92.45 85.374,92.45 86.124,91.7 87,91.7 87.4,91.3 97.15,91.3 98,90.45 105.124,90.45 105.724,91.05 107.251,91.05 109,92.799 109,93.249 110.645,94.893 114.051,98.3 134.5,98.3 v1(134.85,97.95)
  SignalV w0.15: v1(70.2,87) 70.2,87.576 71.55,88.926 71.55,91.35 v1(71.7,91.5) ; v1(134.356,94.255) 134.85,94.749 v1(134.85,97.95)
PHY_TXN: K100.19 TR800.14 | length 88
  Top w0.25: v1(67.05,88.75) K100.19@68.65,88.75
  Top w0.4: TR800.14@136.078,90.445 v1(137.8,90.445)
  SignalH w0.15: v1(70.7,92.7) 70.85,92.85 80.9,92.85 81.55,93.5 82.5,93.5 82.95,93.05 85.65,93.05 86.4,92.3 87.3,92.3 87.7,91.9 97.45,91.9 98.3,91.05 104.85,91.05 105.45,91.65 106.926,91.65 107.726,92.45 108.4,93.124 108.4,93.497 110.094,95.191 113.803,98.9 135.35,98.9 136.45,97.8 v1(137,97.8)
  SignalV w0.15: v1(67.05,88.75) 70.7,92.4 v1(70.7,92.7) ; v1(137,97.8) 137,91.245 v1(137.8,90.445)
PHY_TXP: K100.21 TR800.16 | length 88.1
  Top w0.25: K100.21@68.65,88.15 69.9,88.15 v1(70.25,88.5)
  Top w0.4: TR800.16@136.078,87.905 v1(137.8,87.905)
  SignalH w0.15: v1(70.9,91.5) 70.95,91.7 71.323,92.073 71.977,92.073 72.5,91.55 76.9,91.55 77.6,92.25 82.2,92.25 82.7,92.75 85.499,92.75 86.249,92 87.15,92 87.55,91.6 97.3,91.6 98.15,90.75 105,90.75 105.6,91.35 107.127,91.35 108.7,92.923 108.7,93.373 112.781,97.454 113.927,98.6 135.1,98.6 135.65,98.05 v1(135.65,97.8)
  SignalV w0.15: v1(70.25,88.5) 70.909,89.159 70.909,91.491 v1(70.9,91.5) ; v1(135.65,97.8) 136.7,96.75 136.7,89.005 v1(137.8,87.905)
PHY_VDDA: H103.5 J801.10 J801.12 K100.22 R812.2 | length 109.9
  Top w0.35: v1(74.75,87.8) 74.8,87.85 K100.22@76.85,87.85
  Top w0.7: R812.2@147.05,80.25 v1(147.05,81.4)
  Power w0.5: v1(74.75,87.8) 74.3,87.583 74.3,86.45 74.95,85.8 79.25,85.8 79.7,85.35 80.75,85.35 81.1,85.7 82.15,85.7 83.95,83.9 88.75,83.9 90.45,85.6 94.55,85.6 95.144,85.006 96.1,84.05 99.7,84.05 100,84.35 110.15,84.35 113.05,81.45 117.45,81.45 118.05,82.05 118.05,83.5 119.82,85.27 H103.5@119.85,85.27 121.12,84 123,84 123.7,83.3 123.7,81.35 125.4,79.65 129.35,79.65 130.6,80.9 131.25,80.9
  Power w0.7: 131,80.9 131.35,80.9 131.55,80.7 133.95,80.7 134.625,81.375 134.625,82.375 135.95,83.7 138.9,83.7 141,81.6 147.05,81.6 v1@147.25,81.6 ; v1(147.05,81.4) v1@147.25,81.6 ; J801.10@151.9,95.12 153.45,93.57 153.45,85.05 152.09,83.69 J801.12@151.9,83.69 150.99,83.69 148.9,81.6 v1@147.25,81.6
PLED: R212.1 T202.1 U903.2 | length 23.4
  Top w0.25: v1(7.8,42.05) 7.8,41.25 8.342,40.708 8.75,40.3 U903.2@9.5,40.3
  SignalH w0.15: v1(7.8,42.05) 8.375,42.625 17.975,42.625 18.65,41.95 19.162,41.95 20.362,43.15 v1(23.95,43.15)
  Bottom w0.25: v1(7.8,42.05) R212.1@7.8,43.65 ; v1(23.95,43.15) 24.25,42.85 T202.1@24.25,41.5
POWER_OK: R906.2 T900.2 U903.6 | length 11.7
  Top w0.25: v1(7.85,38.45) 8.6,37.7 U903.6@9.5,37.7
  SignalV w0.15: v1(7.85,38.45) 9.35,39.95 v1(9.35,43.9)
  Bottom w0.25: v1(9.35,43.9) 9.35,44.2 T900.2@10.15,45 11,45.85 R906.2@12.05,45.85